# KiCad board hw-tele-stern.kicad_pcb (continued)
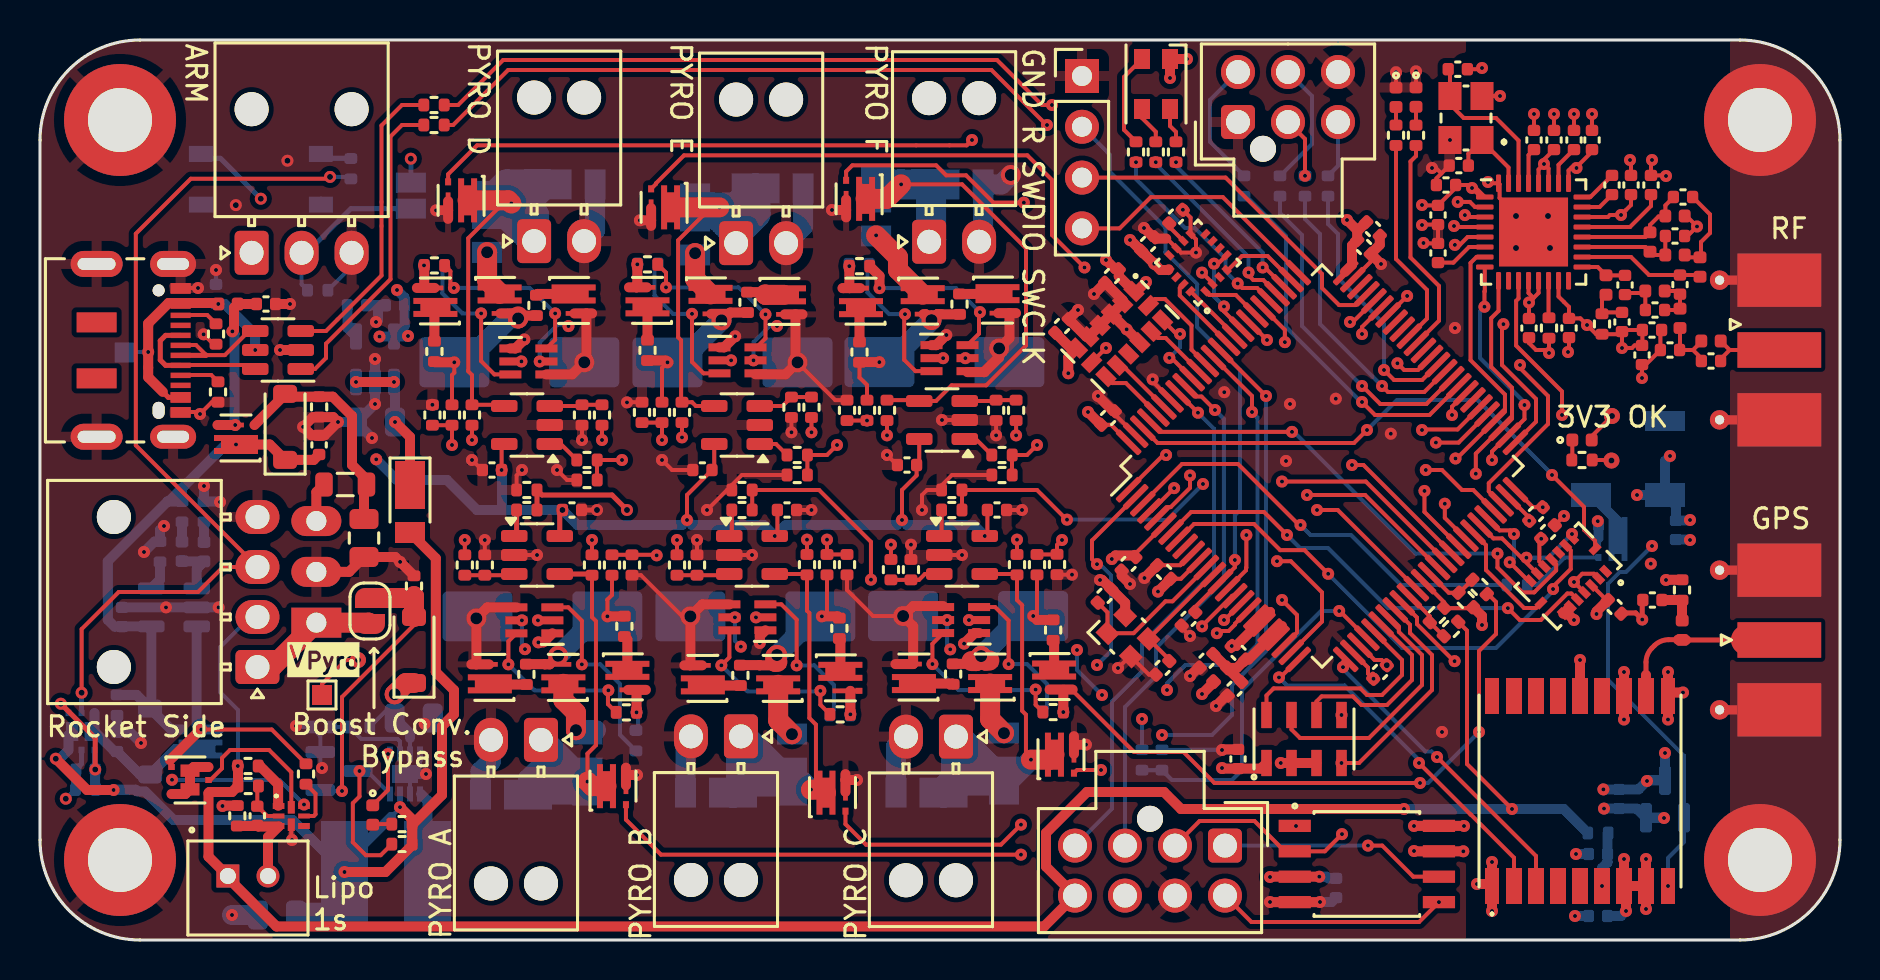
[diagram p0: board, top side]
## Routing (per net, layer and track width the routed paths; a pad name or vN(x,y) marks a point on that pad's centre or on a via; arc(x,y) is an arc through that point) (continued)
/PYRO C/pyro_charge_prelimit: length 1.4
  F.Cu (Sig+GND) w0.5: Q17.3 50.71,14.94
/PYRO C/pyro_discharge: length 2
  F.Cu (Sig+GND) w0.5: R49.1 45.62,12.82 Q18.3
/PYRO C/pyro_ign+: length 23.9
  F.Cu (Sig+GND) w0.2: U18.4 48.81,18.3 R56.2 48.85,17 49.11,16.74 49.11,11.46 49.3,11.27 49.3,9.27 v1(49.55,9.02)
  F.Cu (Sig+GND) w1: Q29.3 50.47,9.02 v1(49.55,9.02)
  B.Cu (Sig+12v) w1: v1(49.55,9.02) 48.5,7.97 D13.1
  B.Cu (Sig+12v) w1.5: 48,7.97 J6.1 45.8,7.99 D18.1 45.77,7.97 D13.1 48,7.97
/PYRO C/pyro_narm: length 8.7
  F.Cu (Sig+GND) w0.2: v1(49.78,12.52) 49.78,11.76 R47.2 ; v1(44.62,13.8) 44.62,14.81 Q11.6
  B.Cu (Sig+12v) w0.2: v1(44.62,13.8) 45.92,12.5 49.76,12.5
/PYRO C/pyro_nfire: length 7.7
  F.Cu (Sig+GND) w0.2: Q11.3 47.76,16.65 48.43,15.97 v1(48.43,13.8)
  B.Cu (Sig+12v) w0.2: 50.16,11.41 50.36,11.61 50.36,12.8 49.36,13.8 v1(48.43,13.8)
/PYRO C/pyro_unprotected: length 2.8
  F.Cu (Sig+GND) w1: v3(48.2,10.34) 47.51,11.03 Q20.3
/PYRO C/pyro_vcap: length 8.7
  F.Cu (Sig+GND) w0.2: C20.1 v1(49.66,16.2) 49.85,16.39 R95.1
  F.Cu (Sig+GND) w0.5: R48.2 49.85,16.01 C20.1 ; Q20.2 46.57,13.81 R49.2
  F.Cu (Sig+GND) w1: 47.47,13.97 47.28,13.97 v3(47.06,14.2) 46.81,13.95 46.58,13.95
  B.Cu (Sig+12v) w1: v3(47.06,14.2) 49.06,16.2 C20.1
/PYRO C/pyro_wsbridge_ref: length 2.5
  F.Cu (Sig+GND) w0.2: U18.3 44.25,18.3 43.95,18.01 R58.1 R57.2
/PYRO C/sense: length 28.2
  F.Cu (Sig+GND) w0.2: v1(62.1,22.92) 66.29,22.92 U7.40 ; v1(51.35,21.02) 51.33,21.02 49.85,22.5 R60.1 R59.2
  In2.Cu (Sig) w0.2: v1(62.1,22.92) 58.27,22.92 v1(58.15,22.8)
  B.Cu (Sig+12v) w0.2: v1(51.35,21.02) 55.83,21.02 55.85,21 56.35,21 v1(58.15,22.8)
/PYRO C/short: length 29.5
  F.Cu (Sig+GND) w0.2: U7.47 71.66,22.5 71.1,22.5 70.1,23.5 v1(69.29,23.5) ; Q29.1 51.86,8.5 v1(53.05,8.5)
  In2.Cu (Sig) w0.2: v1(69.29,23.5) 68.98,23.5 68.19,22.72 68.19,22.09 65.35,19.25 65.35,18 64.1,16.75 64.1,16.25 61.35,13.5 61.35,13.47 56.38,8.5 v1(53.05,8.5)
/PYRO C/ws_comp: length 1.3
  F.Cu (Sig+GND) w0.2: R59.1 45.08,20.32 U18.1
/PYRO D/cap_voltage: length 50.8
  F.Cu (Sig+GND) w0.2: v1(20.6,24.75) R97.2 R98.1 ; v1(62.1,17) 62.85,16.25 62.85,15.38 U7.23
  In2.Cu (Sig) w0.2: v1(20.6,24.75) 20.6,23 21.22,22.38 39.17,22.38 39.53,22.75 52.98,22.75 58.13,17.6 61.5,17.6 v1(62.1,17)
/PYRO D/fire: length 40.4
  F.Cu (Sig+GND) w0.2: Q14.5 24.99,28.93 v1(24.99,28.93) ; U7.1 56.16,24.25 v1(56.3,24.25)
  In2.Cu (Sig) w0.2: v1(26.42,30.7) 27.81,32.08 41.05,32.08 41.09,32.04 42.72,32.04 42.98,32.3 49.65,32.3 56.3,25.65 56.3,25.65 v1(56.3,24.25)
  B.Cu (Sig+12v) w0.2: v1(26.42,30.7) 26.34,30.78 25.9,30.78 24.99,29.87 v1(24.99,28.93)
/PYRO D/pyro_charge_prelimit: length 1.6
  F.Cu (Sig+GND) w0.5: R62.1 19.72,31.58
/PYRO D/pyro_discharge: length 1.9
  F.Cu (Sig+GND) w0.5: R63.1 24.89,32.3 Q23.3
/PYRO D/pyro_ign+: length 25.4
  F.Cu (Sig+GND) w0.2: v1(23.57,36.83) 23.15,36.83 21.41,35.09 21.41,28.44 21.6,28.25 R66.2 23.15,26.76 U19.4
  F.Cu (Sig+GND) w1: Q31.3 23.41,36.98 v1(23.57,36.83)
  B.Cu (Sig+12v) w1.5: D14.1 22.89,36.76 J7.1 24.7,36.23 24.16,36.78 25.16,37.78 D19.1 23.36,37.78 22.36,36.78 D14.1
/PYRO D/pyro_narm: length 8.9
  F.Cu (Sig+GND) w0.2: v1(25.76,31.33) 25.76,30.01 Q14.6 ; v1(20.7,32.6) 20.52,32.78 20.52,33.44 R61.2
  F.Cu (Sig+GND) w0.5: 20.27,33.62 20.26,33.63
  B.Cu (Sig+12v) w0.2: v1(20.7,32.6) 24.48,32.6 v1(25.76,31.33)
/PYRO D/pyro_nfire: length 7.9
  F.Cu (Sig+GND) w0.2: Q14.3 22.72,28.28 22.06,28.94 v1(22.06,31.33)
  B.Cu (Sig+12v) w0.2: 20.22,33.72 20.12,33.62 20.12,32.33 21.12,31.33 v1(22.06,31.33)
/PYRO D/pyro_unprotected: length 2.3
  F.Cu (Sig+GND) w1: Q25.3 22.98,32.36 22.36,32.98 v3(22.36,34.39)
/PYRO D/pyro_vcap: length 9.3
  F.Cu (Sig+GND) w0.2: R97.1 20.6,28.25 20.71,28.36 v1(20.71,28.89)
  F.Cu (Sig+GND) w0.5: R63.2 24.02,31.22 Q25.2 ; v1(20.71,28.89) 19.75,28.89 ; v3(23.91,31.08) 23.66,31.33 Q25.2
  F.Cu (Sig+GND) w1: v3(23.91,31.08) 23.91,31.18
  B.Cu (Sig+12v) w1: v1(20.71,28.89) 21.28,28.89 23.47,31.08 v3(23.91,31.08)
/PYRO D/pyro_wsbridge_ref: length 2.6
  F.Cu (Sig+GND) w0.2: U19.3 27.04,26.7 R68.1 R67.2
/PYRO D/sense: length 51.9
  F.Cu (Sig+GND) w0.2: 27.85,23 27.85,24 ; R69.2 v1(29.1,24) ; 70.62,19.3 66.17,23.75 v1(65.6,23.75)
  In2.Cu (Sig) w0.2: v1(29.1,24) 30.1,23 39.1,23 39.35,23.25 53.11,23.25 58.31,18.05 62.03,18.05 62.6,18.62 62.6,19.22 65.6,22.22 v1(65.6,23.75)
/PYRO D/short: length 57.3
  F.Cu (Sig+GND) w0.2: Q31.1 20.41,38.29 21.85,39.73 46.33,39.73 v1(46.6,40) ; v1(68.36,32.2) 67.41,31.25 U7.69
  In2.Cu (Sig) w0.2: v1(46.6,40) 51.1,44.5 54.32,44.5 65.32,33.5 65.35,33.5 66.65,32.2 v1(68.36,32.2)
/PYRO D/ws_comp: length 1.7
  F.Cu (Sig+GND) w0.2: U19.1 26.04,24.8 R69.1
/PYRO E/cap_voltage: length 42.3
  F.Cu (Sig+GND) w0.2: U7.24 64.1,15.92 64.1,17.38 62.54,18.94 v1(61.85,18.94) ; R100.1 R99.2 v1(31.1,25)
  In2.Cu (Sig) w0.2: v1(31.1,25) 32.6,23.5 38.85,23.5 39.03,23.68 53.17,23.68 58.46,18.4 61,18.4 61.54,18.94 v1(61.85,18.94)
/PYRO E/fire: length 31.1
  F.Cu (Sig+GND) w0.2: v1(57.5,23.23) 57.5,22.61 56.53,21.64 56.39,21.64 U7.5 ; v1(35.68,28.98) Q16.5
  In2.Cu (Sig) w0.2: v1(57.5,23.23) 56.37,23.23 55.35,24.25 55.35,25.75 49.16,31.94 43.12,31.94 42.76,31.58 37.75,31.58 37.66,31.48 37.63,31.48 v1(36.85,30.7)
  B.Cu (Sig+12v) w0.2: v1(35.68,28.98) 35.68,29.89 36.49,30.7 v1(36.85,30.7)
/PYRO E/pyro_charge_prelimit: length 1.7
  F.Cu (Sig+GND) w0.5: R72.1 Q27.3
/PYRO E/pyro_discharge: length 1.9
  F.Cu (Sig+GND) w0.5: R73.1 36.14,32.39 36.25,32.28
  F.Cu (Sig+GND) w1: Q28.3 36.28,32.26 36.25,32.28
/PYRO E/pyro_ign+: length 23.4
  F.Cu (Sig+GND) w0.2: v1(33.96,36.63) 33.56,36.63 31.91,34.98 31.91,30.13 32.06,29.98 32.06,26.94 R76.2 32.6,26.89 32.79,26.7 U20.4
  F.Cu (Sig+GND) w1: 31.84,36.63 v1(33.96,36.63)
  B.Cu (Sig+12v) w1.5: 35.78,36.32 34.81,35.34 33.52,36.63 D22.1 34.83,36.63 D20.1 35.78,36.32
/PYRO E/pyro_narm: length 8.7
  F.Cu (Sig+GND) w0.2: v1(36.28,31.28) 36.28,30.08 35.83,29.63 Q16.6 ; v1(31.3,32.63) 31.3,33.37 R71.2
  B.Cu (Sig+12v) w0.2: v1(36.28,31.28) 34.92,32.63 v1(31.3,32.63)
/PYRO E/pyro_nfire: length 7.8
  F.Cu (Sig+GND) w0.2: v1(32.6,31.31) 32.6,28.91 33.17,28.33 Q16.3
  B.Cu (Sig+12v) w0.2: 30.88,33.67 30.73,33.52 30.73,32.23 31.65,31.31 v1(32.6,31.31)
/PYRO E/pyro_unprotected: length 2.4
  F.Cu (Sig+GND) w1: v3(32.75,34.34) 32.75,33.05 Q30.3
/PYRO E/pyro_vcap: length 8.6
  F.Cu (Sig+GND) w0.2: v1(31.38,28.88) 31.1,28.61 R99.1
  F.Cu (Sig+GND) w0.5: R73.2 34.52,31.37 Q30.2 Q30.2 ; R72.2 31.28,28.97 v1(31.38,28.88)
  B.Cu (Sig+12v) w1: v1(31.38,28.88) 31.98,28.88 v3(34.08,30.98)
/PYRO E/pyro_wsbridge_ref: length 2.8
  F.Cu (Sig+GND) w0.2: U20.3 37.13,26.7 R78.1 R77.2
/PYRO E/sense: length 38.3
  F.Cu (Sig+GND) w0.2: v1(39.85,24.75) 39.35,24.25 R79.2 R80.1 ; U7.39 66.26,22.25 v1(63.35,22.25)
  In2.Cu (Sig) w0.2: v1(63.35,22.25) 58.85,22.25 58.6,22 56.35,22 53.5,24.85 51.75,24.85 49.35,27.25 41.1,27.25 40.1,26.25 40.1,25 v1(39.85,24.75)
/PYRO E/short: length 38.2
  F.Cu (Sig+GND) w0.2: v1(52.23,33.62) 50.6,35.25 50.6,38 49.37,39.23 32.2,39.23 30.8,37.84 30.8,37.81 Q34.1 ; v1(61.35,30) 60.46,30.89 U7.83
  In2.Cu (Sig) w0.2: v1(52.23,33.62) 53.5,32.35 55.75,32.35 58.09,30.01 61.34,30.01 v1(61.35,30)
/PYRO E/ws_comp: length 1.6
  F.Cu (Sig+GND) w0.2: U20.1 36.8,24.8 R79.1
/PYRO F/cap_voltage: length 26.1
  F.Cu (Sig+GND) w0.2: R102.1 v1(41.35,25.97) ; v1(60.32,20.25) 60.32,18.62 60.3,18.6 60.3,18.49 U7.15
  In2.Cu (Sig) w0.2: v1(41.35,25.97) 41.35,26 42,26.65 49.2,26.65 51.35,24.5 53.35,24.5 57.06,20.79 59.91,20.79 60.32,20.38 v1(60.32,20.25)
/PYRO F/fire: length 14.9
  F.Cu (Sig+GND) w0.2: v1(56.71,22.59) 55.57,21.45 U7.4 ; Q19.5 v1(46.27,29.09)
  In2.Cu (Sig) w0.2: v1(56.71,22.59) 56.31,22.59 53.7,25.2 52.15,25.2 49.6,27.75 47.66,27.75 46.32,29.09 v1(46.27,29.09)
/PYRO F/pyro_charge_prelimit: length 1.7
  F.Cu (Sig+GND) w0.5: R82.1 40.98,31.54 Q32.3
/PYRO F/pyro_discharge: length 1.9
  F.Cu (Sig+GND) w0.5: Q33.3 47.86,32.3 R83.1
/PYRO F/pyro_ign+: length 28.7
  F.Cu (Sig+GND) w0.2: v1(43.05,37.78) 46.1,37.78 49.3,34.59 49.3,29.73 47.31,27.73 45.58,27.73 44.8,26.95 U21.4 43.92,26.99 R86.2
  F.Cu (Sig+GND) w1: v1(43.05,37.78) 42.33,37.06 Q36.3
  B.Cu (Sig+12v) w1.5: J11.1 44.55,35.01 44.55,37.56 D21.1 v1(43.05,37.78) 42.01,37.78 D23.1
/PYRO F/pyro_narm: length 8.7
  F.Cu (Sig+GND) w0.2: v1(47,31.39) 46.95,31.34 Q33.1 46.95,30.32 Q19.6
  F.Cu (Sig+GND) w0.5: v1(41.98,32.59) 41.98,33.2 R81.2
  B.Cu (Sig+12v) w0.2: v1(47,31.39) 45.8,32.59 v1(41.98,32.59)
/PYRO F/pyro_nfire: length 7.5
  F.Cu (Sig+GND) w0.2: Q19.3 43.77,28.44 43.21,29.01 Q35.1
  B.Cu (Sig+12v) w0.2: 41.38,33.68 41.38,32.38 42.46,31.29 v1(43.25,31.29)
/PYRO F/pyro_unprotected: length 3.9
  F.Cu (Sig+GND) w1: Q35.3 42.9,33.5 42.9,34.14 v1(41.8,35.23)
/PYRO F/pyro_vcap: length 8.7
  F.Cu (Sig+GND) w0.2: R101.1 41.35,27.75 40.98,28.12 R82.2
  F.Cu (Sig+GND) w0.5: v3(44.58,30.99) 44.27,31.29 Q35.2 ; v3(44.58,30.99) 44.88,31.29 Q35.2 ; v3(44.58,30.99) 44.86,31.28 R83.2 ; R82.2 40.98,28.89 v1(41.97,28.89)
  B.Cu (Sig+12v) w1: 42.48,28.89 v3(44.58,30.99)
/PYRO F/pyro_wsbridge_ref: length 2.6
  F.Cu (Sig+GND) w0.2: R87.2 R88.1 47.76,26.95 U21.3
/PYRO F/sense: length 25.9
  F.Cu (Sig+GND) w0.2: 48.6,24.25 48.6,23.25 ; U7.36 64.89,21.5 v1(63.85,21.5) ; R89.2 49.35,24.25 v1(49.85,24.75)
  In2.Cu (Sig) w0.2: v1(63.85,21.5) 62.6,21.5 60.9,19.8 60.9,19.79 60.8,19.7 57.65,19.7 53.26,24.09 50.51,24.09 v1(49.85,24.75)
/PYRO F/short: length 30.4
  F.Cu (Sig+GND) w0.2: Q36.1 40.31,38.42 40.62,38.73 44.81,38.73 45.31,38.23 46.3,38.23 47.67,36.87 v1(49.19,36.87) ; U7.81 62.24,30.51 v1(62.24,29.89)
  In2.Cu (Sig) w0.2: v1(49.19,36.87) 55.22,36.87 56.34,35.75 59.85,35.75 62.24,33.36 v1(62.24,29.89)
/PYRO F/ws_comp: length 1.7
  F.Cu (Sig+GND) w0.2: R89.1 46.79,25.05 U21.1
/RF-tranciever/ANT: length 3.8
  F.Cu (Sig+GND) w0.2: J8.1 84.48,29.5 ; 84.48,29.5 84.03,29.05 ; 84.48,29.5 L174.2
/RF-tranciever/cs_radio: length 27.7
  F.Cu (Sig+GND) w0.2: v1(70.73,13.94) 70.7,13.94 68.85,15.79 68.85,16.12 U7.34 ; v1(76.1,26.25) 76.1,27.43 73.8,29.72 73.8,31.95 73.93,32.08 U6.11
  In2.Cu (Sig) w0.2: v1(70.73,13.94) 71.78,13.94 74.6,16.76 74.6,17.5 77.15,20.05 77.15,25.2 v1(76.1,26.25)
/RF-tranciever/radio_int: length 19.5
  F.Cu (Sig+GND) w0.2: v1(70.7,35.7) 70.75,35.65 U6.4 ; v1(74,28.75) 74,28.6 75.4,27.2 75.4,25.8 72.44,22.84 72.44,22.43 U7.48
  In2.Cu (Sig) w0.2: v1(70.7,35.7) 70.63,35.7 70.17,35.24 70.17,32.43 73.85,28.75 v1(74,28.75)
/RF-tranciever/radio_marc_isr: length 14.4
  F.Cu (Sig+GND) w0.2: v1(73.17,30.79) 73.1,30.72 73.1,28.75 74.8,27.05 74.8,25.91 U7.51 ; v1(71.25,36.25) 71.34,36.15 U6.3
  In2.Cu (Sig) w0.2: v1(73.17,30.79) 73,30.96 73,31.8 71.4,33.4 71.4,36.09 v1(71.25,36.25)
/RF-tranciever/rf_lnan: length 5.9
  F.Cu (Sig+GND) w0.2: U6.20 80.27,35.15 L191.2 80.5,35.75 80.92,36.17 81.27,36.17 81.27,36.73 81.69,37.15
/RF-tranciever/rf_lnap: length 5
  F.Cu (Sig+GND) w0.2: 81.27,35.19 L201.1 80.67,34.25 ; L191.1 80.27,34.65 U6.19
/RF-tranciever/rf_lpf0: length 1.7
  F.Cu (Sig+GND) w0.2: U6.23 77.98,36.65 C231.1
/RF-tranciever/rf_lpf1: length 1.9
  F.Cu (Sig+GND) w0.2: C231.2 77.52,37.15 U6.24
/RF-tranciever/rf_net_c174: length 1.8
  F.Cu (Sig+GND) w0.2: 80.17,32.35 79.33,32.35 ; L172.1 80.27,31.5
/RF-tranciever/rf_net_l171: length 2.1
  F.Cu (Sig+GND) w0.2: 78.17,31.38 79.2,31.38 ; R171.1 78.1,32.06 L171.2
/RF-tranciever/rf_net_l172: length 2
  F.Cu (Sig+GND) w0.2: C181.2 L173.1 ; 81.84,32.45 L172.2 ; 81.93,31.5 C176.2
/RF-tranciever/rf_net_l173: length 2.9
  F.Cu (Sig+GND) w0.2: 82.65,29.5 83.07,29.08 ; 82.65,29.5 C175.2 ; 82.65,29.5 83.07,29.92 ; L173.2 82,29.52
/RF-tranciever/rf_net_l201: length 4.3
  F.Cu (Sig+GND) w0.2: C191.2 83.5,36.28 83.5,35.35 83.05,34.9 83.05,34.14 82.35,34.14
/RF-tranciever/rf_pa: length 2.3
  F.Cu (Sig+GND) w0.2: U6.17 77.89,33.65 78.3,33.23 C174.1
/RF-tranciever/rf_trxsw: length 6.2
  F.Cu (Sig+GND) w0.2: U6.18 79.55,34.15 80.45,33.25 C181.1 82.96,33.25
/SPI2.miso: length 42
  F.Cu (Sig+GND) w0.2: U6.9 72.93,31.46 72.56,31.09 72.56,28.65 73.6,27.61 73.6,26.13 U7.53 71.79,24.32 v1(71.79,23.31) ; v1(65.1,5.29) 64.24,4.44 U5.2 62.24,4.44 60.72,5.95 57.98,5.95 J9.2
  In2.Cu (Sig) w0.2: v1(65.1,5.29) 65.1,6.75 68.85,10.5 68.85,17.75 72.29,21.19 72.29,22.81 v1(71.79,23.31)
/SPI2.mosi: length 53.5
  F.Cu (Sig+GND) w0.2: U6.7 71.83,34.15 71.53,33.85 71.53,28.99 73.25,27.27 73.25,26.48 U7.54 70.84,24.08 v1(70.77,24.08) ; J9.5 60.57,0.9 68.95,0.9 v1(69.95,1.89)
  In2.Cu (Sig) w0.2: v1(70.77,24.08) 70.77,23.08 71.54,22.31 71.54,21.19 68.35,18 68.35,10.75 64.4,6.8 64.4,4.5 67.01,1.89 v1(69.95,1.89)
/SPI2.sck: length 45.3
  F.Cu (Sig+GND) w0.2: v1(74.22,26.75) 74.22,26.05 U7.52 72.6,24.42 v1(72.6,24) ; v1(66.4,4.72) 67.11,4.72 68.67,3.17 U5.6 ; U6.8 72.24,32.44 72.22,32.42 v1(72.22,31.66)
  In2.Cu (Sig) w0.2: v1(66.4,4.72) 66.4,7.3 69.35,10.25 69.35,17.5 73.54,21.69 73.54,23.06 v1(72.6,24)
  B.Cu (Sig+12v) w0.2: v1(72.22,31.66) 72,31.44 72,29.1 74.22,26.88 v1(74.22,26.75) ; v1(66.4,4.72) J9.1
/USB/usb_cc: length 1.9
  F.Cu (Sig+GND) w0.2: 7.05,31.25 8.36,31.25 R16.1
/USB/usb_vbus: length 13.1
  F.Cu (Sig+GND) w0.25: 6.14,27.41 6.42,27.13 J12.A9
  F.Cu (Sig+GND) w0.5: v1(8.92,31.8) 8.86,31.85 6.43,31.85 5.41,30.83 v1(5.41,29.4) 5.41,28.14 6.14,27.41
  B.Cu (Sig+12v) w0.2: v1(5.41,29.4) 4.26,29.4 TP32.1
  B.Cu (Sig+12v) w0.5: v1(10.76,29.5) 10.76,30.28 9.24,31.8 v1(8.92,31.8)
/USB/usb_vconn: length 2
  F.Cu (Sig+GND) w0.2: 7.05,28.25 8.56,28.25 R15.1
/USB/usbd+: length 15.2
  F.Cu (Sig+GND) w0.2: R55.2 18.1,41.75 17.08,40.72 17.08,33.22 14.3,30.45 U15.3
/USB/usbd-: length 15.8
  F.Cu (Sig+GND) w0.2: U15.1 13.75,28.55 14.3,29.1 14.3,29.81 17.53,33.04 17.53,40.17 18.1,40.75 R54.2
/USB/usbdm_in: length 7
  F.Cu (Sig+GND) w0.2: U15.6 10.45,28.55 10.25,28.75 7.05,28.75
  F.Cu (Sig+GND) w0.25: J12.B7 6.28,30.23 6.01,29.96 6.01,29 6.28,28.73 J12.A7
/USB/usbdp_in: length 5.7
  F.Cu (Sig+GND) w0.2: 7.05,29.75 7.8,29.75 8.31,29.25 9.24,29.25 10.45,30.45 U15.4
  F.Cu (Sig+GND) w0.25: 8.31,29.25 8.29,29.23 J12.B6
/v_rocket: length 6.6
  F.Cu (Sig+GND) w1: J1.1 11.6,13.65 U1.1 16.43,15.87 JP1.1
VPyro: length 201.4
  F.Cu (Sig+GND) w0.2: U21.5 43.96,23.88 C29.1 43.83,23.23 43.1,22.5 v1(43.1,21) ; 14.1,12.2 14.1,12.8 15.3,14 v5(15.9,14) ; 72.5,17.2 72.8,16.9 72.8,15.3 71.95,14.45 v1(71.95,10.4) ; C23.1 47.37,20.33 v1(47.24,20.2) ; 29.83,12.5 29.82,12.51 ; v1(23.08,23.5) 23.08,24.67 U19.5 ; v1(36.74,20.2) 36.87,20.33 C17.1 ; U20.5 33.71,23.61 C27.1 32.35,22.25 v1(32.35,21) ; Q7.2 Q7.2 ; Q17.2 51.63,12.47 54.7,9.4 57.17,9.4 58.73,7.85 v1(69,7.85)
  F.Cu (Sig+GND) w0.25: v4(26.12,21.5) 25.99,21.37 U16.5
  F.Cu (Sig+GND) w0.5: Q32.2 40.48,32.59 ; v1(29.83,11.38) 29.83,12.5 ; v1(51.17,11.4) 51.17,12.51 ; 40.48,32.59 Q32.2 ; 40.48,32.59 40.47,32.6 v1(40.47,33.69) ; 40.52,12.46 v1(40.52,11.28) ; 29.83,32.63 Q27.2 ; 29.83,32.63 Q27.2 ; 29.83,32.63 29.78,32.68 29.86,32.77 v1(29.86,33.78) ; Q12.2 Q12.2 ; Q17.2 50.48,12.52 ; 19.21,32.61 R61.1 ; Q22.2 Q22.2
  F.Cu (Sig+GND) w1: D7.1 18.3,12.85 v3(17.74,12.29)
  In2.Cu (Sig) w0.25: 12.08,35.86 12.08,36.02 v4(11.04,37.06)
  In2.Cu (Sig) w0.5: v1(16.81,24.03) 16.38,24.03 15.9,23.55 15.9,23 ; 15.9,23 v5(15.9,14) 17.61,12.29 v3(17.74,12.29) 18.35,11.67 29.54,11.67 v1(29.83,11.38) 30.13,11.68 40.12,11.68 v1(40.52,11.28) 40.93,11.7 50.87,11.7 v1(51.17,11.4) ; 15.9,23 15.9,26.81 10.58,32.13 J2.1 12.08,35.86 17.07,35.86 v1(19.2,33.73) 19.54,33.39 29.47,33.39 v1(29.86,33.78) 30.31,33.34 40.11,33.34 v1(40.47,33.69)
  B.Cu (Sig+12v) w0.2: v3(17.74,12.29) 17.74,11.9 R9.1 ; IC1.7 18.5,10.1 ; v1(71.95,10.4) 69.4,7.85 v1(69,7.85) ; v1(29.83,11.38) 29.91,11.3 29.91,10.37
  B.Cu (Sig+12v) w0.25: 8.04,39.08 9.02,39.08 v4(11.04,37.06)
  B.Cu (Sig+12v) w0.5: v3(17.74,12.29) C7.1 18.5,10.34 18.5,10.1 ; v1(23.08,23.5) 23.1,23.48 23.1,21.5 ; 23.1,21.5 v4(26.12,21.5) 26.87,20.75 32.1,20.75 v1(32.35,21) 32.6,20.75 36.19,20.75 v1(36.74,20.2) 37.29,20.75 42.85,20.75 v1(43.1,21) 43.35,20.75 46.69,20.75 v1(47.24,20.2) ; 23.1,21.5 21.85,21.5 20.35,23 17.84,23 v1(16.81,24.03)
Net-(C48-Pad1): length 2
  F.Cu (Sig+GND) w0.5: C48.1 82.09,17 R64.2 82.1,15.98
Net-(D2-A): length 0.9
  F.Cu (Sig+GND) w0.2: D2.2 R53.2
Net-(D4-A): length 1
  F.Cu (Sig+GND) w0.2: 16.64,5.78 16.65,5.79 R5.1
Net-(D4-K): length 2.9
  F.Cu (Sig+GND) w0.2: D4.1 17.4,7.5 v1(17.4,9.3)
Net-(D5-A): length 1
  B.Cu (Sig+12v) w0.5: D5.2 R7.2
Net-(D5-K): length 2.6
  B.Cu (Sig+12v) w0.5: U2.1 7.84,18.57 D6.2 7.11,18.93 D5.1
Net-(D6-K): length 1
  B.Cu (Sig+12v) w0.5: D6.1 R8.1
Net-(D9-A): length 0.9
  F.Cu (Sig+GND) w0.2: 68.8,41.65 R52.2
Net-(D10-K): length 1
  F.Cu (Sig+GND) w0.2: D10.1 76.61,24.03 R74.1
Net-(D15-BK): length 1.8
  F.Cu (Sig+GND) w0.2: D15.4 56.5,40.7 56.8,40.4 R107.2
Net-(D15-GK): length 1.9
  F.Cu (Sig+GND) w0.2: R106.2 55.79,40.41 55.1,41.1 D15.3
Net-(D15-RK): length 4.8
  F.Cu (Sig+GND) w0.2: D15.2 54.2,43.15 54.2,40.51 R105.2
Net-(IC1-EN): length 8.2
  F.Cu (Sig+GND) w0.2: R6.1 17.03,4.24 16.29,4.24 15.64,4.89 15.64,6.84 15.97,7.17 v1(15.97,8.45)
  B.Cu (Sig+12v) w0.2: IC1.4 16.4,8.4 15.89,8.4
Net-(IC1-FB): length 4.3
  B.Cu (Sig+12v) w0.2: R10.1 R9.2 16.06,10.05 17.87,10.05 18,9.92 IC1.6
Net-(Q5A-D): length 3
  F.Cu (Sig+GND) w0.5: 6.58,7.3 7.27,7.3 Q5.3 Q5.6 7.68,8.65 Q5.6
Net-(Q5A-G): length 7.1
  B.Cu (Sig+12v) w0.2: v1(13.2,6.77) 11.97,8 6.61,8 v1(6.6,8.01)
Net-(Q5B-G): length 7.3
  F.Cu (Sig+GND) w0.2: Q5.5 8.52,8 9.1,8.58 9.1,9.1 9.5,9.5 11.45,9.5 12.56,8.39 U14.8
Net-(Q21-D): length 2.8
  B.Cu (Sig+12v) w0.5: Q21.3 78.9,20.92 77.57,22.25 U8.2
Net-(Q21-G): length 4.1
  B.Cu (Sig+12v) w0.2: Q21.1 76.23,19.12 74.86,17.75 R50.1
Net-(R174-Pad2): length 1.5
  B.Cu (Sig+12v) w0.25: R174.2 15.53,39.08 14.04,39.08
Net-(U1-Vout): length 2
  F.Cu (Sig+GND) w0.5: U1.3 13.82,22.39 L1.1
Net-(U2-PROG): length 1.5
  B.Cu (Sig+12v) w0.5: R4.1 6,18.02 U2.5
Net-(U6-DCPL): length 2.7
  F.Cu (Sig+GND) w0.2: C42.1 70.67,33.87 71.45,34.65 U6.6
Net-(U6-DCPL_PFD_CHP): length 2
  F.Cu (Sig+GND) w0.2: U6.26 75.93,38.76 76.69,39.52 C261.1
Net-(U6-DCPL_VCO): length 4.4
  F.Cu (Sig+GND) w0.2: U6.21 79.5,35.65 80.55,36.7 C211.1
Net-(U6-DCPL_XOSC): length 1.8
  F.Cu (Sig+GND) w0.2: U6.29 74.43,39.25 C291.1
Net-(U6-RBIAS): length 1.8
  F.Cu (Sig+GND) w0.2: U6.14 75.43,31.13
Net-(U6-XOSC_Q1): length 8.1
  F.Cu (Sig+GND) w0.2: C31.2 70.5,43.45 70.5,41.79 71.19,41.1 72.8,41.1 73.93,39.97 U6.30
Net-(U6-XOSC_Q2): length 4.3
  F.Cu (Sig+GND) w0.2: U6.31 73.43,38.62 72.5,39.55 72.5,39.6 X1.1 71.42,39.32 C30.2
Net-(U9-CAP): length 1
  F.Cu (Sig+GND) w0.2: U9.10 56.46,35.66
Net-(U11-BP): length 1.7
  B.Cu (Sig+12v) w0.5: U11.4 15.37,30.61 C11.1
Net-(U14-BAT): length 2.5
  F.Cu (Sig+GND) w0.5: R12.2 11,8.7 11.91,7.79 11.91,6.72 11.93,6.72
Net-(U14-PACK): length 2.3
  F.Cu (Sig+GND) w0.2: U14.6 13.69,6.2 13.78,6.28 13.78,7.31 R11.2
Net-(U14-VDD): length 2.3
  F.Cu (Sig+GND) w0.2: U14.2 11.36,6.2 C13.2 10.86,7.64 R14.2

## Copper pours and planes (outline as drawn; the poured copper is in the pictures)
+3V3 on In3.Cu (3v3): 0,45 0,0 82.8,0 82.8,45
GND on F.Cu (Sig+GND): 90,45 90,0 84.5,0 84.5,45
GND on F.Cu (Sig+GND): 0,45 0,0 71.3,0 71.3,45
GND on B.Cu (Sig+12v): 0,0 90,0 90,45 0,45
GND on In1.Cu (GND): 90,0 0,0 0,45 90,45
GND on In4.Cu (GND): 0,45 0,0 90,0 90,45
VPyro on In2.Cu (Sig): 0,45 0,0 90,0 90,45

## Text on the board
B.Silkscreen: V_{BUS} | PYRO A | PYRO B | PYRO C | SCK  MISO CS0 CS1 / MOSI GND  3V3 BAT | Companion | TeleStern v2.2 / 31.07.2024 / Space Team Aachen / STAR Dresden / Hochschule Bremen / Based on TeleMega v5.0 / B. Garbee & K. Packard / TARPS OHL Licence | PYRO D | PYRO E | PYRO F | Arm via battery cutoff signal | Servo | G C D / A B G
F.Silkscreen: ARM | PYRO D | PYRO E | PYRO F | Lipo / 1s | V_{Pyro} | 3V3 OK | GPS | RF | Boost Conv. / Bypass | PYRO A | PYRO B | PYRO C | GND R SWDIO SWCLK
User.2: A | B | C | D | E | F
User.6: Power | Digital | RF
